# KiCad board DC32_Drear_Jeebus_SAO.kicad_pcb
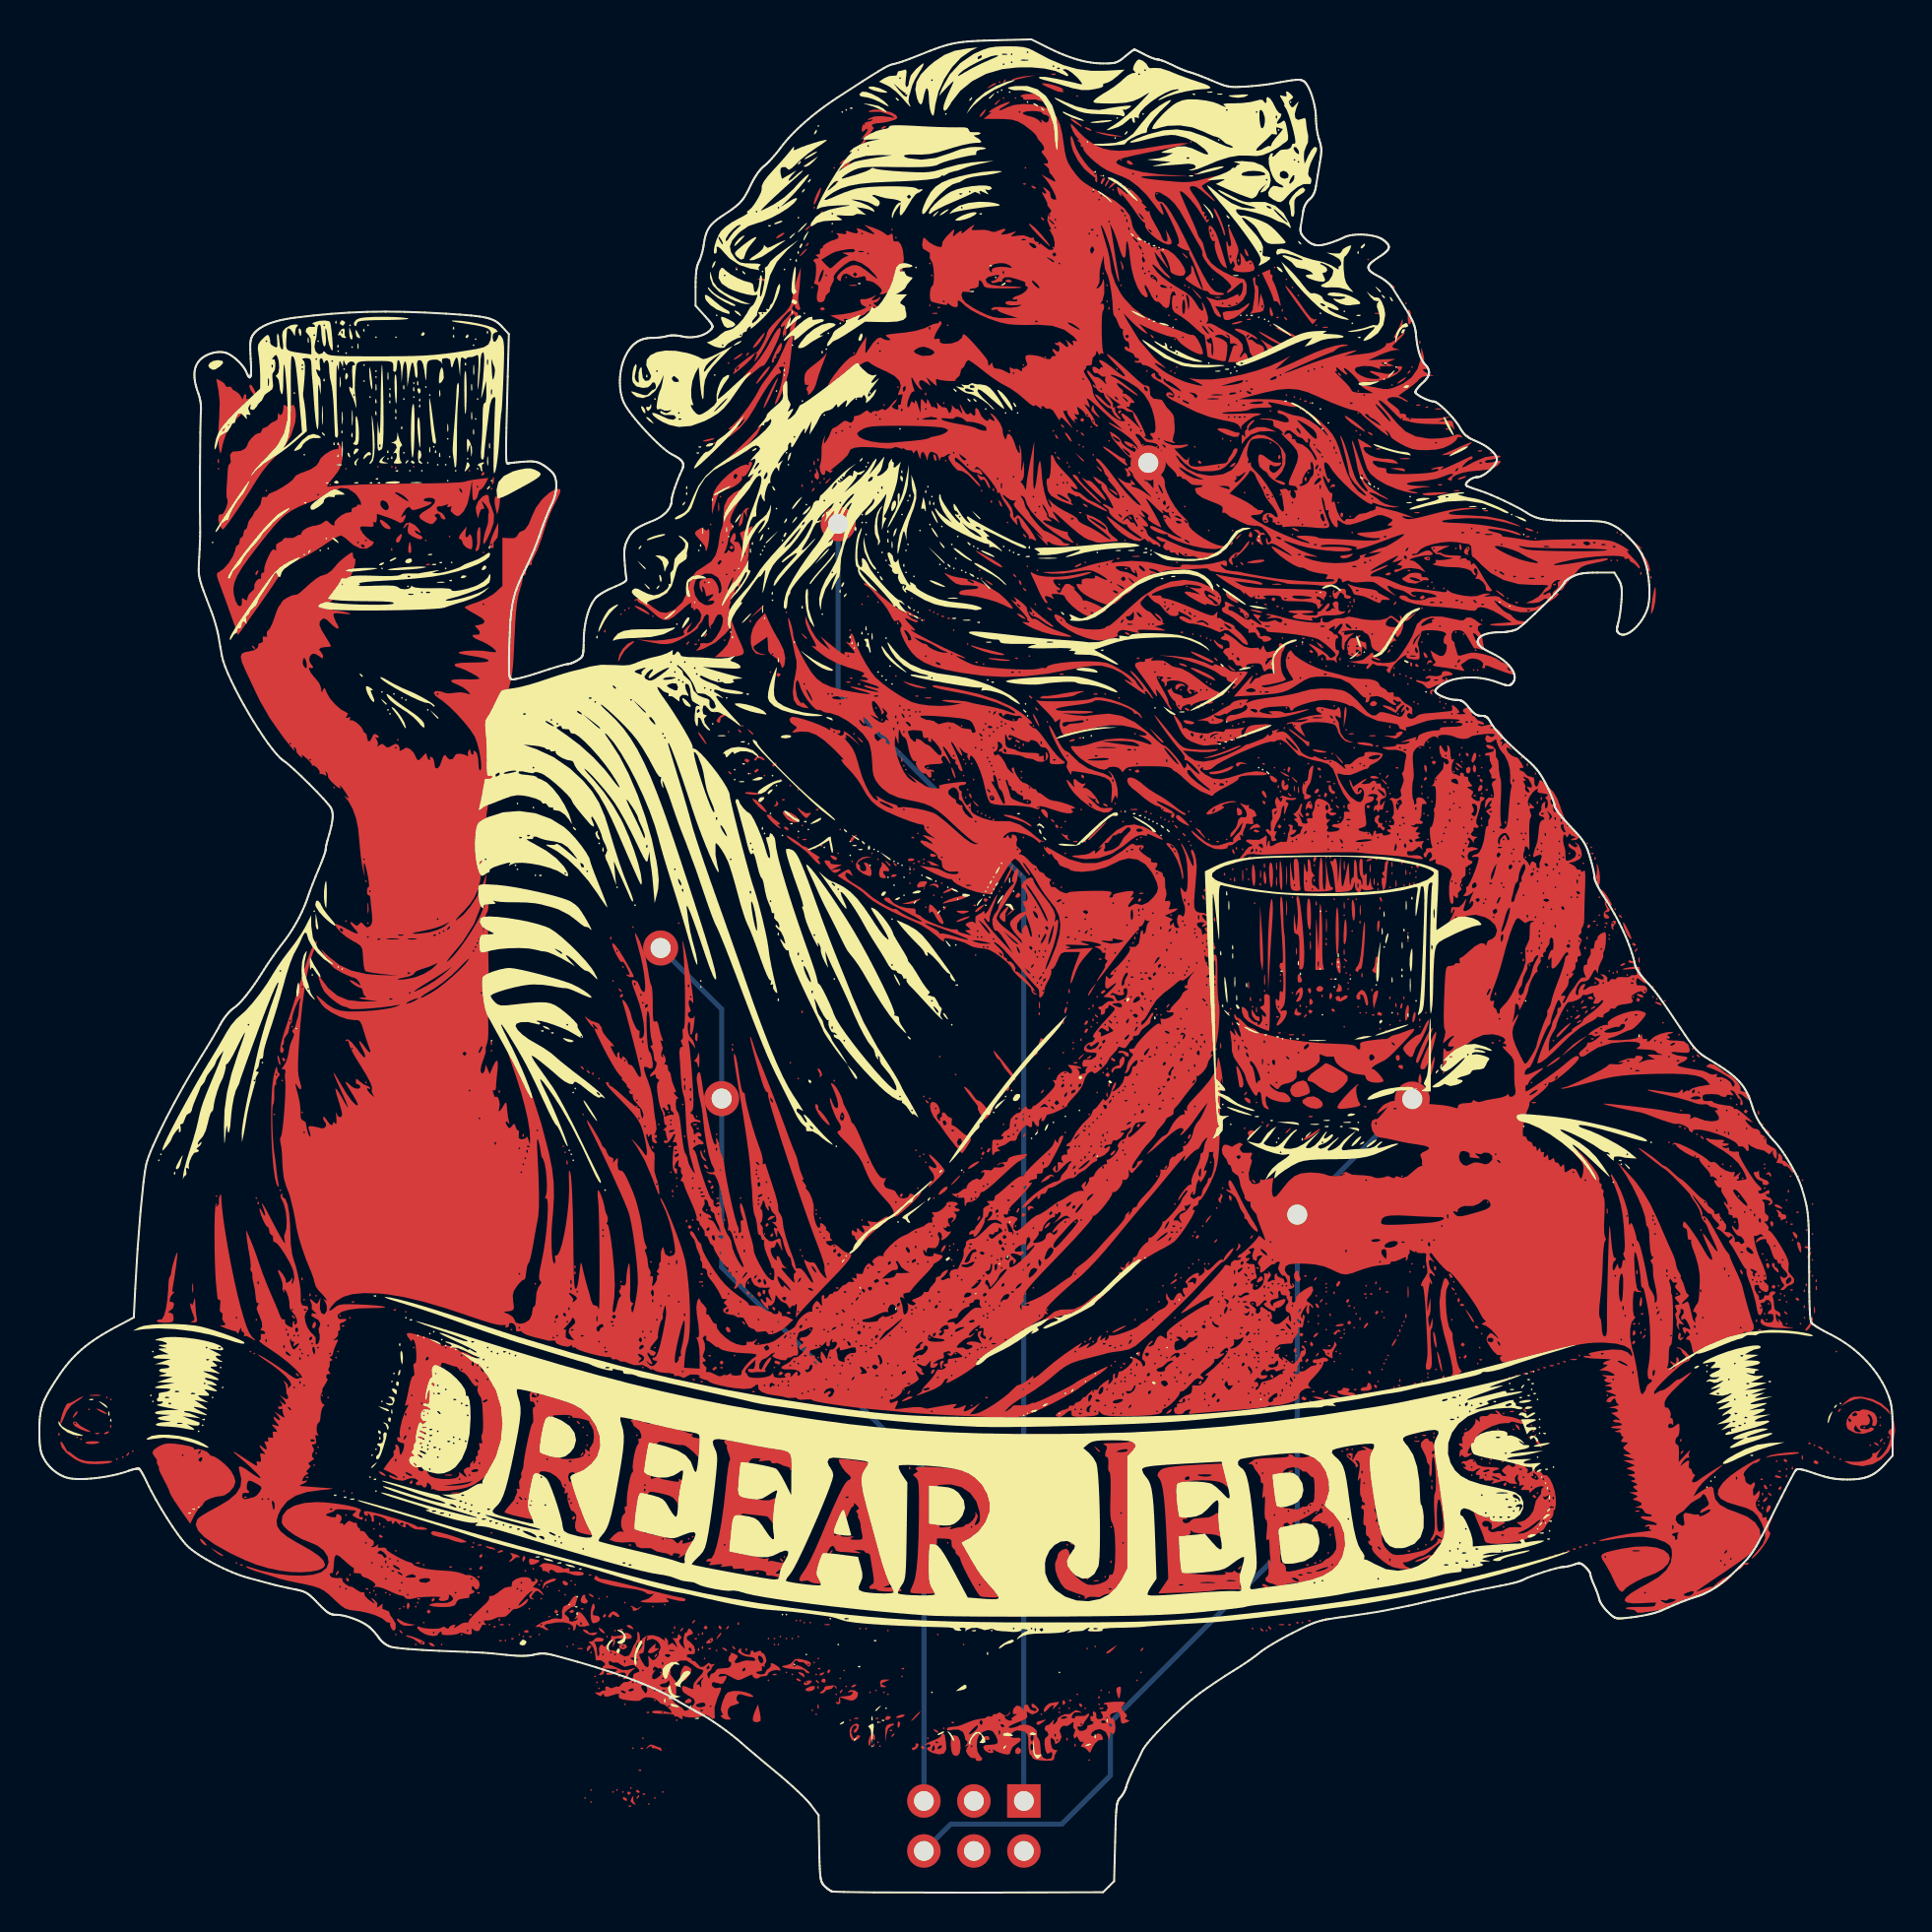
[diagram p0: board, top side]
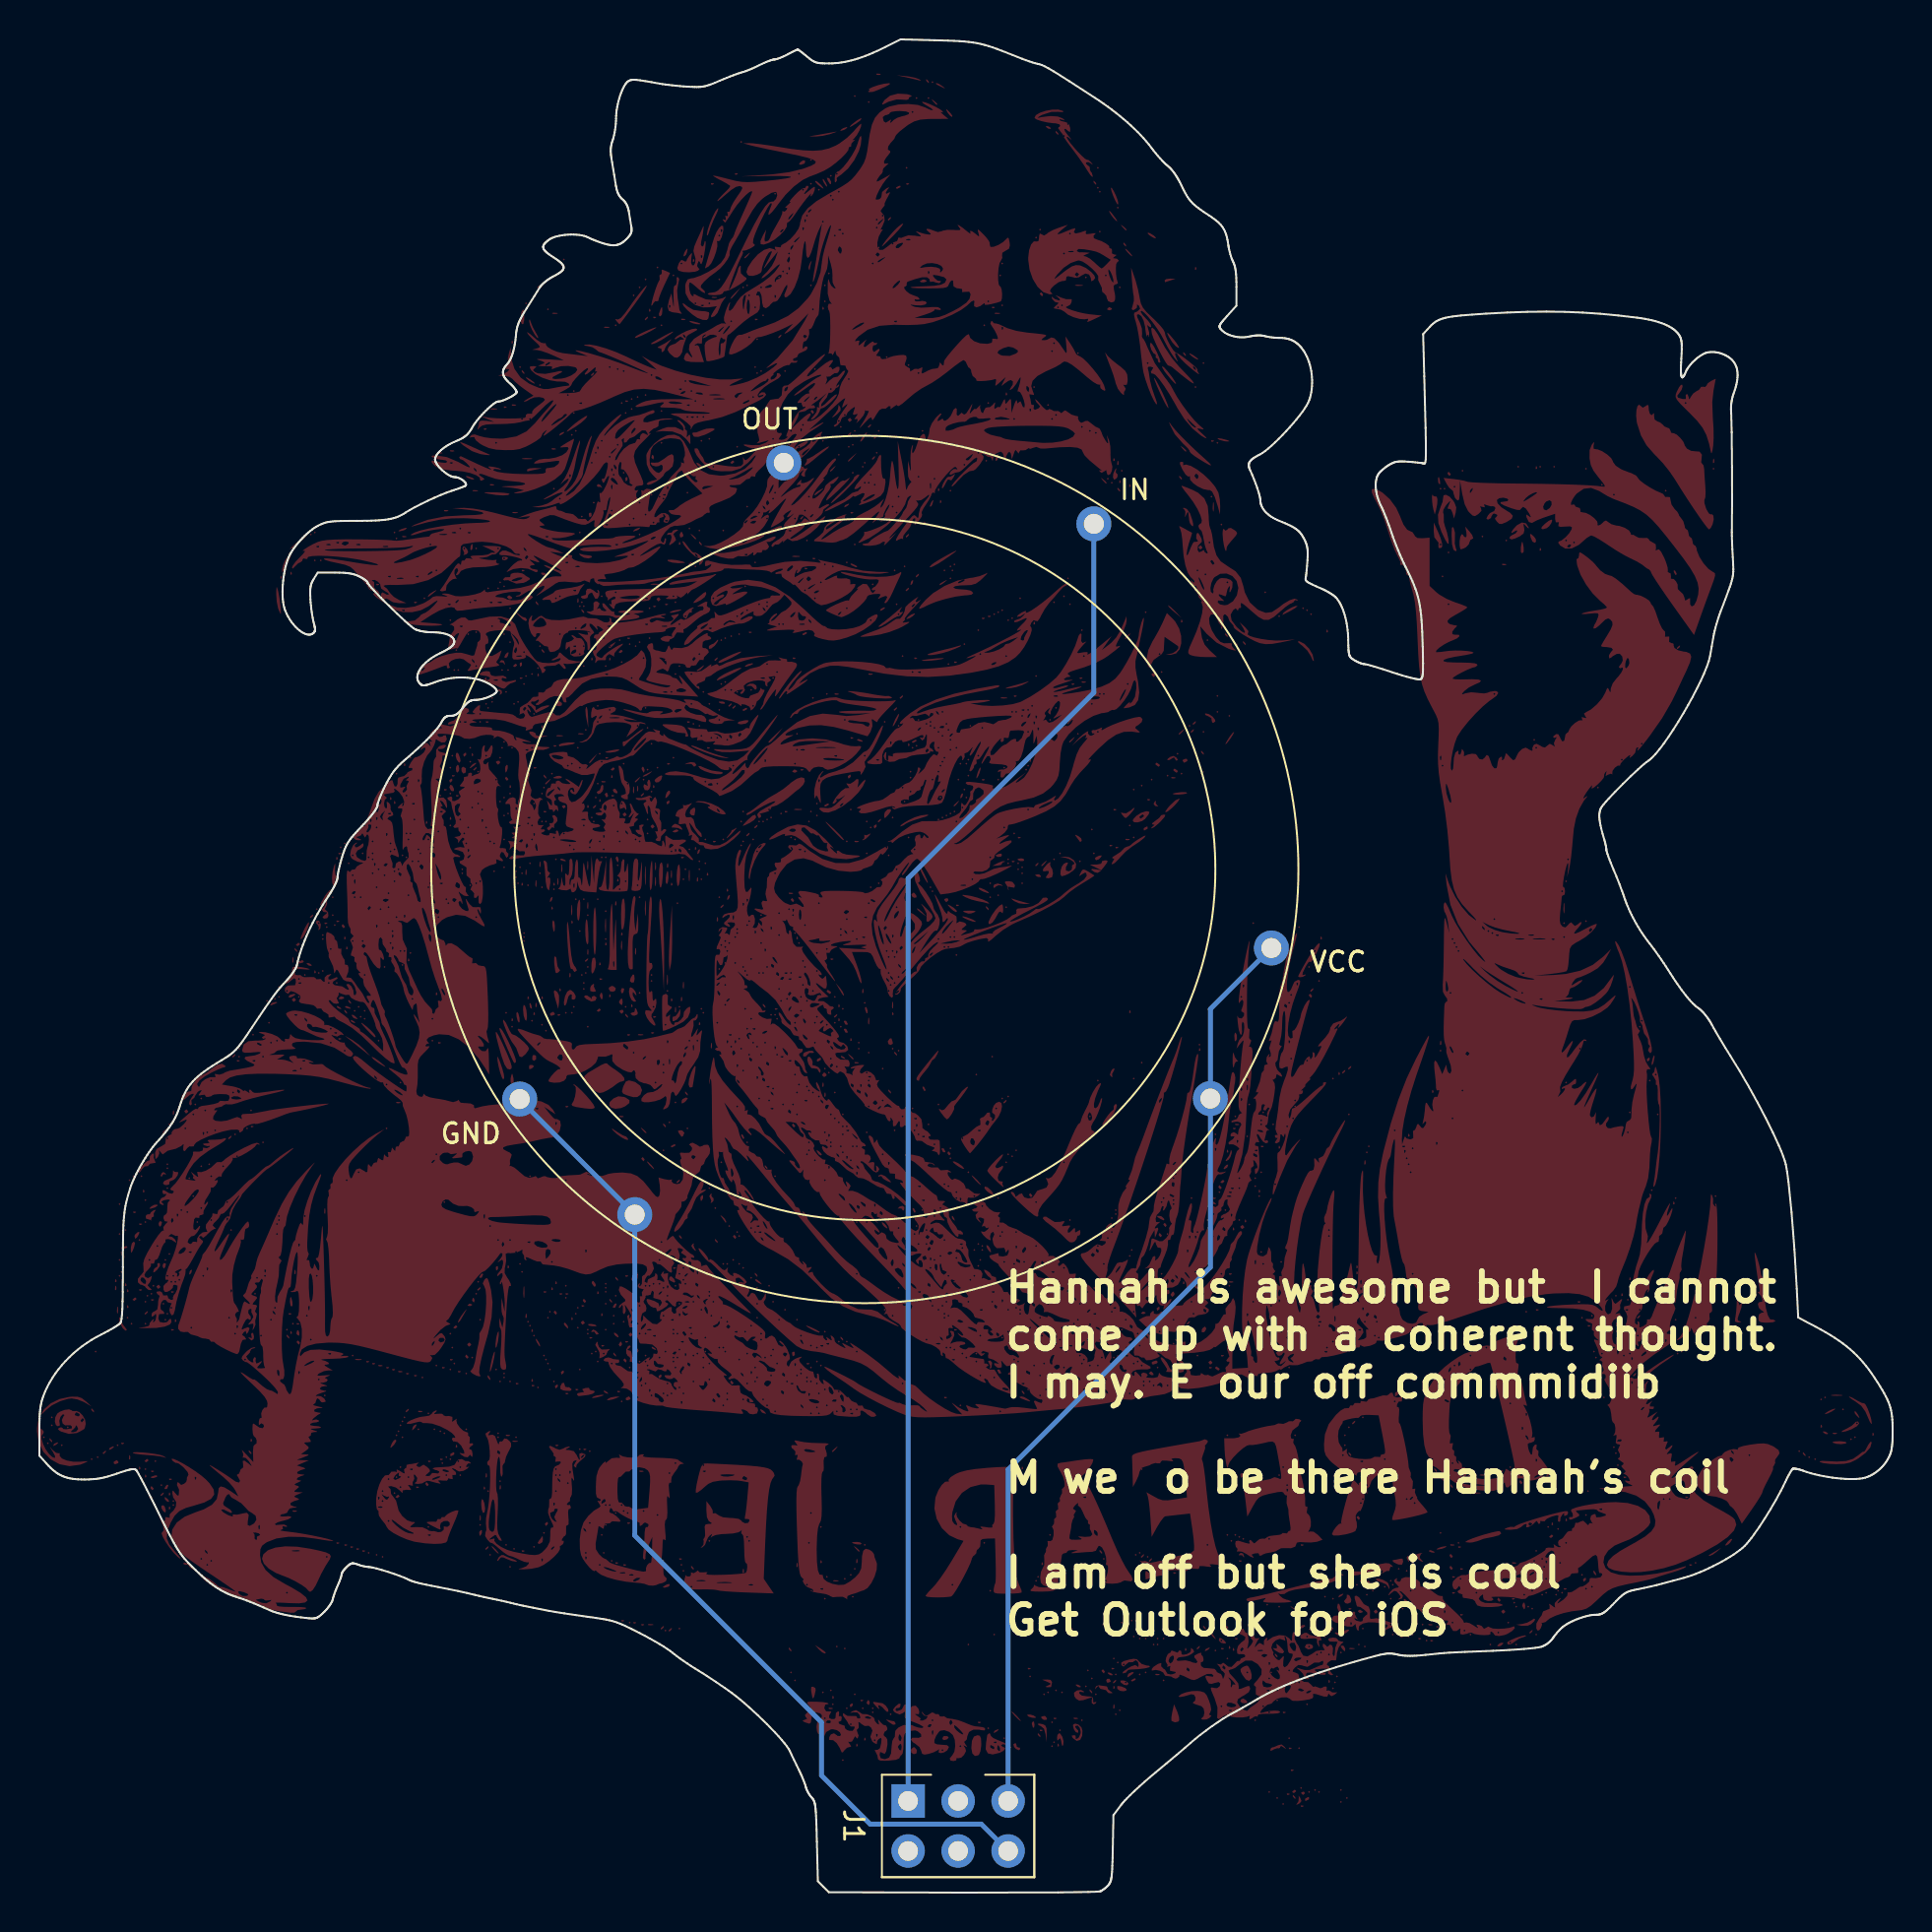
[diagram p1: board, bottom side, seen from below]

Outline 94.13 x 94.1 mm; copper layers: Top, Bottom. Coordinates in mm from the lower left corner of the outline.

## Placement (name value [footprint] x y rotation side)
G***  LOGO  [Drear_Jeebus - Front Solder Mask]  47.2 46.95 0 top
G***#2  LOGO  [Drear_Jeebus - Silkscreen]  47.2 46.95 0 top
G***#3  LOGO  [Drear_Jeebus - Front Copper]  47.7 46.95 0 top
G***#4  LOGO  [Drear_Jeebus - Back Solder Mask]  47.2 46.95 0 top
J1  Conn_02x03_Top_Bottom  [PinSocket_2x03_P2.54mm_Vertical_Tab]  50 4.65 90 bottom
NP1  Adafruit_NeoPixel_Ring_16-B  [Adafruit-NeoPixel-Ring-16_B]  52.2 51.95 0 top

## Library data of the parts
J1 = -: Description: Generic connector, double row, 02x03, top/bottom pin numbering scheme (row 1: 1...pins_per_row, row2: pins_per_row+1 ... num_pins), script generated (kicad-library-utils/schlib/autogen/connector/)

## Footprints (pads in the part's own frame, mm; a bottom-side part is the same pattern mirrored in y, then rotated)
Adafruit-NeoPixel-Ring-16_B
  round 1.778 hole 1.016: 1(-11.633,17.551) 2(4.115,20.65) 3(17.526,-11.659) 4(11.684,-17.526) 5(-17.551,-11.633) 6(-20.65,-3.988)
PinSocket_2x03_P2.54mm_Vertical_Tab
  rect 1.7x1.7 hole 1: 1(0,0)
  oval 1.7x1.7 hole 1: 2(-2.54,0) 3(0,-2.54) 4(-2.54,-2.54) 5(0,-5.08) 6(-2.54,-5.08)

## Nets
Net-(J1-Pin_1): J1.1 NP1.1
Net-(J1-Pin_5): J1.5 NP1.5 NP1.6
Net-(J1-Pin_6): J1.6 NP1.3 NP1.4

Pads without a net: J1 2 3 4; NP1 2

## Routing (per net, layer and track width the routed paths; a pad name or vN(x,y) marks a point on that pad's centre or on a via; arc(x,y) is an arc through that point)
Net-(J1-Pin_1): length 68.8
  Bottom w0.25: NP1.1 40.57,60.94 50,51.5 J1.1
Net-(J1-Pin_5): length 48.9
  Bottom w0.25: NP1.6 34.65,44.87 NP1.5 34.65,31.75 44.92,21.48 J1.5
Net-(J1-Pin_6): length 51.8
  Bottom w0.25: NP1.3 69.73,40.27 NP1.4 63.89,18.14 54.4,8.65 54.4,5.95 51.93,3.48 46.29,3.48 J1.6

## Text on the board
B.Silkscreen: Hannah is awesome but  I cannot / come up with a coherent thought. / I may. E our off commmidiib / M we  o be there Hannah's coil / I am off but she is cool / Get Outlook for iOS
